# Altium PCB PCB1.PcbDoc (part 2 of 3)
Units mil, origin at the board's own origin, x right, y up, seen from the top; angles counter-clockwise.
Board outline 3937.01 x 2755.91 mil, 2 copper layers (Top Layer, Bottom Layer); 150 components, 153 nets, 622 pads, 617 vias.
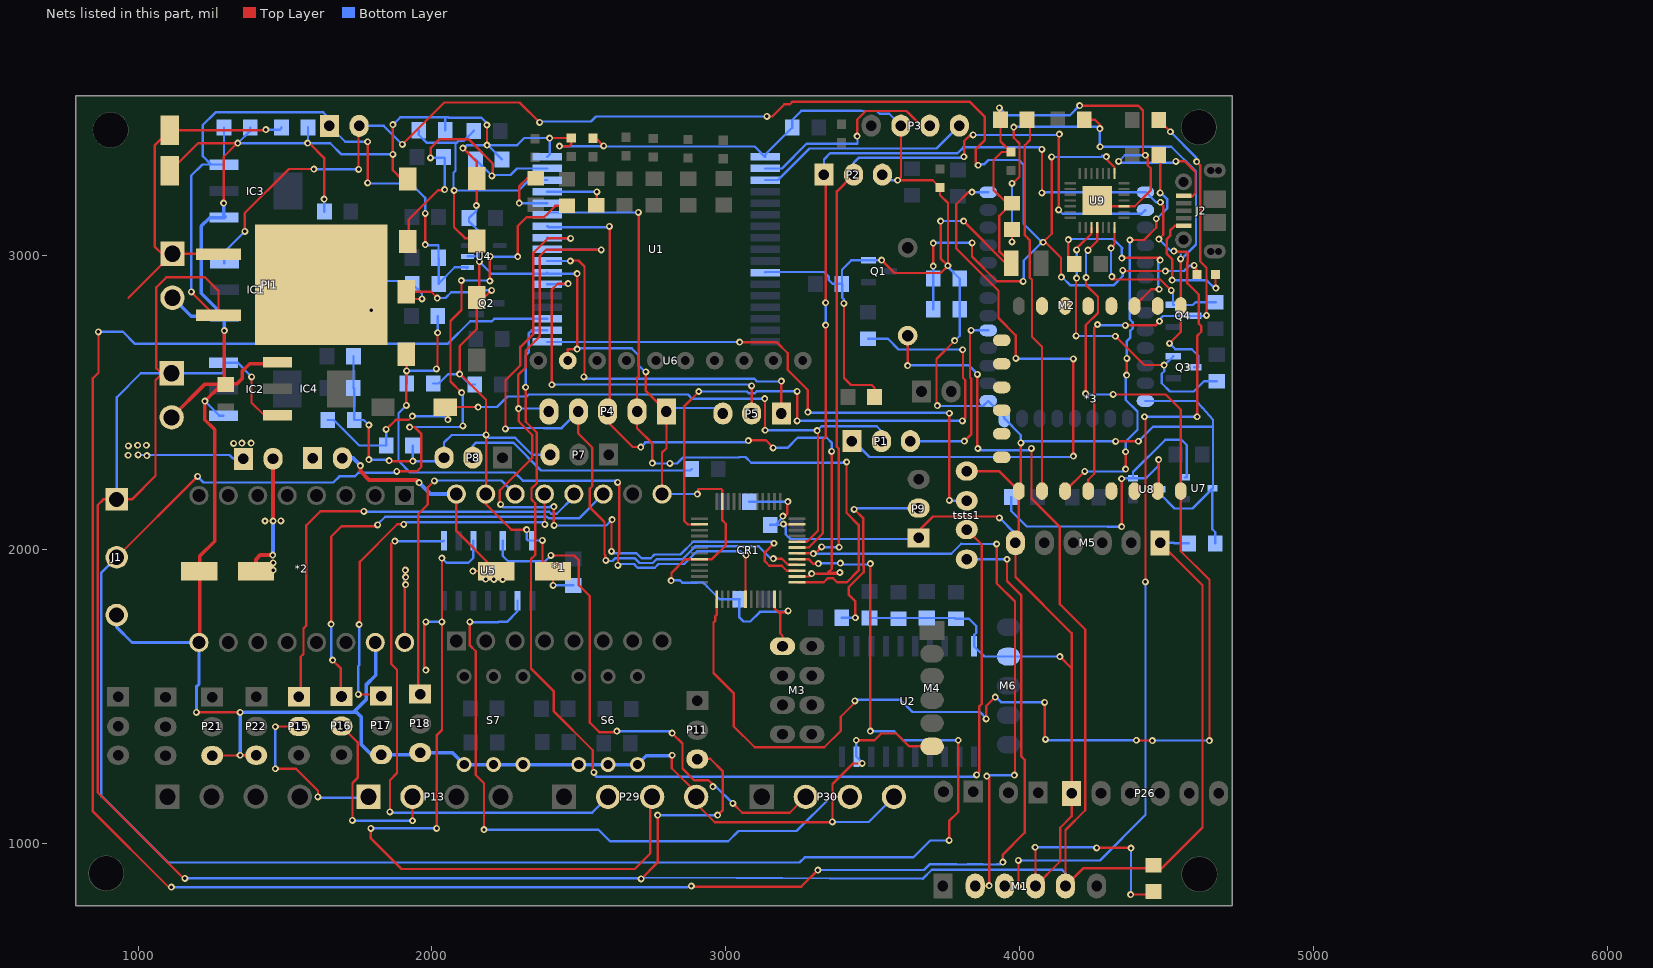
[diagram p2: the nets of this part, all layers, seen from the top]

## Via types
v1: diameter 23.62, hole 11.81, Top Layer to Bottom Layer, tented both sides, 615 vias
v2: diameter 23.62, hole 11.81, Top Layer to Bottom Layer, 2 vias

## Nets (pads, with @x,y where several pads share a name; then routed paths per layer and width w, separated by ;. In a path a pad name is that pad's centre, name@x,y a point inside that pad or via, vN(x,y) a via of type N, cw(c..) or ccw(c..) an arc to the next point about the centre after c; other vN are vias at no path point) (continued)
5V: B1.1 C1.2 C16.2 C22.2 C26.2 IC2.3 IC3.3 IC4.3 J1.1 M1.5 M5.1 P11.3 P23.1 P25.1 PI1.3 R23.2 U4.1 | length 13973.2
  Top Layer w8: P23.1@1114,2599 P23.1@1082.86,2599 ; v1(1159,880) 1155,880 862,1173 862,2150 881.7,2169.7 J1.1@927,2169.7 978.7,2169.7 1059,2250 1059,2575.14 P23.1@1082.86,2599 ; v1(1181,2876) 1260.94,2796.06 PI1.3@1273.5,2796.06 1273.5,2879.5 1227,2926 1096,2926 1062,2892 1062,2616 1079,2599 P23.1@1082.86,2599 ; v1(1386,2587) 1386,2499 1429.16,2455.84 IC4.3@1474,2455.84 ; v1(1781,3247) v1(1781,3387) ; v1(1977,3037) v1(1977,3143) ; v1(2712,878) 2768,934 v1(2768,1095) ; P11.3@2930,1286 P11.3@2903,1286 2904,1287 2947,1287 2990,1244 2990,1113 v1(2972,1095) ; v1@3619,2621 v1(3619,2625) B1.1@3619,2727 ; v1(3856,2595) 3856,2345 v1(3858,2343) ; v1(4040.3,2343.56) 4040.3,2172.7 4137,2076 4137,1813 4223,1727 4223,1112 4156,1045 M1.5@4156,854 4216,914 4455,914 4483,914 4622.5,1053.5 4622.5,1338.83 4622.19,1339.14 4622.19,1358.86 4622.5,1359.17 4622.5,1877.35 M5.1@4477.85,2022
  Bottom Layer w8: J1.1@927,2169.7 927,2517 1009,2599 P23.1@1114,2599 1284,2599 1290.5,2605.5 IC2.3@1290.5,2635.16 1337.84,2635.16 v1(1386,2587) ; v1(1159,880) 2710,880 v1(2712,878) 2717.2,883.2 3670.81,879.2 3701.12,909.5 3776.88,909.5 3777.38,909 3829.65,909 3830.15,909.5 3867.85,909.5 3868.35,909 3929.65,909 3930.15,909.5 3967.85,909.5 3968.35,909 4034.65,909 4035.15,909.5 4144.5,909.5 4156,898 M1.5@4156,854 ; v1(1181,2876) 1181,3272 1218.66,3309.66 IC3.3@1248.34,3309.66 ; C16.2@1292,3435 1292,3309.66 IC3.3@1248.34,3309.66 ; v1(1781,3247) 1783,3245 1928,3245 1977,3196 v1(1977,3143) ; v1(1781,3387) 1705,3387 P25.1@1651,3441 1651,3466 1630,3487 1263,3487 1220,3444 1220,3338 IC3.3@1248.34,3309.66 ; v1(1977,3037) 1979,3035 2022,3035 R23.2@2022,2992 2023,2991 C22.2@2023,2905 ; C22.2@2023,2903 C22.2@2023,2905 ; U4.1@2118.65,2957 U4.1@2121.25,2959.6 2077.6,2959.6 C22.2@2023,2905 ; v1(2768,1095) v1(2972,1095) ; v1@3621.81,2622.19 v1(3619,2625) 3620.81,2626.81 3826.19,2626.81 3850,2603 v1@3850,2594 ; v1@3865,2337.19 4031.93,2337.19 4032.93,2336.19 v1(4040.3,2343.56) ; M5.1@4477.85,2022 4525,2022 4527,2020 C26.2@4576,2020
5V_USB: D11.1 J2.1 | length 446.2
  Top Layer w8: v1@4515.51,2919.49 v1(4519,2916) 4519.81,2916.81 4519.81,2986.52 4501.19,3005.14 4501.19,3056.19 4512,3067 4512,3085 4527.58,3100.58 J2.1@4558,3100.58 ; D11.1@4666.5,2935 4666.5,2890.5 v1(4668,2889)
  Bottom Layer w8: v1(4519,2916) 4634.76,2916 4637.88,2912.88 4638.5,2913.5 4663,2889 v1(4668,2889)
5V_WIFI: C34.2 C35.2 D11.2 IC1.3 P25.2 U9.8 | length 5759.9
  Top Layer w8: v1(1363,3082) 1363,3144 1513,3294 v1(1598,3294) ; v1(1750,3293) 1750,3439 P25.2@1752,3441 ; v1(1899,3378) 2041.62,3520.62 2298.38,3520.62 v1(2366,3453) ; v1(3140,3473) 3158,3473 3199,3514 3217.37,3514 3226.87,3523.5 3829.83,3523.5 3881.81,3471.52 3881.81,3392.51 3850.19,3360.89 3850.19,3315.81 v1(3859,3307) v1@3861.06,3307 ; v1@3706,2960 v1(3706,2964) v1(3706,3042) ; v1(3838,3043) 3838,2996 3922,2912 v1(4012,2912) ; v1(4109,3335.13) 4109,3074 v1(4080,3045) 4087.88,3045 4141,2991.88 4141,2926 v1(4142,2926) ; v1(4295.06,3336.57) 4295.06,3328.27 4323.06,3300.27 U9.8@4323.06,3278.5 ; v1(4351,2949) 4353,2947 v1(4496,2947) ; v1(4594,2966) 4590,2966 4589,2965 4603.5,2950.5 D11.2@4603.5,2935
  Bottom Layer w8: IC1.3@1293.5,2973.16 1293.5,3012.5 v1(1363,3082) ; v1(1598,3294) 1599,3293 v1@1745,3293 ; P25.2@1752,3441 1835.91,3441 1898.91,3378 v1(1899,3378) ; v1@2370,3454 2371.81,3455.81 2540.81,3455.81 2558,3473 v1(3140,3473) ; C34.2@3706,2817 C35.2@3706,2921 v1@3706,2960 ; v1@3707,3043 v1(3838,3043) ; v1(3859,3307) 3862.81,3310.81 3880.48,3310.81 3894.48,3324.81 3997.35,3324.81 4013.81,3308.35 4013.81,3107.19 v1@4076,3045 ; v1(4012,2912) 4013.81,2913.81 4013.81,2982.81 v1@4076,3045 ; v1(4080,3045) v1@4076,3045 ; v1(4109,3335.13) 4277.63,3335.13 4282.49,3340 4290.49,3332 v1(4295.06,3336.57) ; v1(4142,2926) 4145.09,2926 4172.9,2898.19 4319.28,2898.19 4351,2929.91 v1(4351,2949) ; v1(4496,2947) 4559,2947 4578,2966 v1(4594,2966)
12V: C14.2 C15.2 P10.1 P12.1 P24.1 PI1.1 | length 1620.2
  Top Layer w8: 967,2856.14 P24.1@1116.86,3006 ; PI1.1@1273.5,3003.94 1271.44,3006 P24.1@1116.86,3006 ; v1(1435,3428) 1432.9,3425.9 C14.2@1107,3425.9 1057,3375.9 1057,3029 1080,3006 P24.1@1116.86,3006
  Bottom Layer w8: v1(1000,2321) 1311,2321 1323,2309 1324,2310 1327,2307 1343,2323 P12.1@1358,2308 ; v1(1435,3428) 1482,3428 1488,3434 C15.2@1488,3436
  other v1: 1030,2319 966,2320 967,2352 998,2354 1028,2354 1325.2,2360.67 1353.27,2361.61 1384.16,2361.62
12V_STEP: *1.9 *2.9 C12.1 C13.2 P10.2 P12.2 | length 1550
  Top Layer w8: P12.2@1459,2308 P12.2@1463.13,2312.14 ; *2.9@1907,1683 1907,1938.12 1909.38,1935.75 v1(1909.38,1928.99) ; *1.9@2083,2188 2083,2062 C12.1@2219,1926 v1(2139,1926)
  Top Layer w13.78: C13.2@1401,1926 1401,1965.5 1415.5,1980 v1(1458,1980) ; v1(1756,2285) 1756,2266 1786,2236 1947,2236 v1(1956,2227)
  Top Layer w14.96: v1(1459,2096.26) P12.2@1459,2308
  Bottom Layer w8: v1(1458,1980) v1@1459,1981
  Bottom Layer w13.78: v1@1459,1981 v1(1459,2096.26) ; P10.2@1695,2310 1731,2310 v1(1756,2285) ; v1(1956,2227) 1995,2188 *1.9@2083,2188
  other v1: 1910.03,1879.56 2240.14,1897.17 2182.26,1898.26 2210.66,1897.89 1910.44,1905.08 1459.7,1928.89 1459.46,1953.97 1431.73,2096.23 1485.98,2096.95
BLU_KEY_HC05: M2.34 P1.1 | length 2044.4
  Top Layer w8: v1(3837.83,3215.83) 3826.17,3215.83 3826,3216 3784,3174 3784,3024 3928,2880 3928,2787 3987,2728 v1(3987,2650) ; v1(4183,2317) v1(4183,2648)
  Bottom Layer w8: P1.1@3429,2368 3435,2368 3489,2314 4180,2314 v1(4183,2317) ; v1(3837.83,3215.83) 3837.95,3215.83 3838.89,3214.89 M2.34@3893,3214.89 ; v1(3987,2650) 3985,2648 v1(4183,2648)
BLU_KEY_HC06: M2.26 P1.3 | length 631.5
  Top Layer w8: v1(3812,2368) 3834.89,2390.89 3834.89,2581.02 3831.19,2584.72 3831.19,2741.19 v1(3834.89,2744.89)
  Bottom Layer w8: P1.3@3628,2368 v1(3812,2368) ; v1(3834.89,2744.89) M2.26@3893,2744.89
BLUE_KEY: C2.2 CR1.32 P1.2 R1.1 S1.2 | length 2664.4
  Top Layer w8: v1(1844,2408) 1876.47,2440.47 1877.45,2440.47 1877.79,2440.81 1920.81,2440.81 v1(1933,2453) ; v1(2054,2441) 2054,2472.68 2044.49,2482.19 S1.2@2045.3,2483 2046.3,2484 v1(2157,2484) ; v1(3132.5,2512.5) 3133.5,2511.5 3133.5,2405.5 v1(3134,2405) ; CR1.32@3243,2025.53 3276.53,2025.53 3313.81,2062.81 3313.81,2401.19 v1(3311,2404)
  Bottom Layer w8: R1.1@1645,2440 1665.93,2440 1698,2407.93 1698,2407.53 1752.53,2353 C2.2@1844,2353 v1(1844,2408) ; v1(1933,2453) 2042,2453 v1(2054,2441) ; v1(2157,2484) 2221,2484 2257,2520 2322.59,2520 2329.59,2527 2870.91,2527 2885.41,2512.5 v1(3132.5,2512.5) ; v1@3136,2403 v1(3134,2405) 3310,2405 v1(3311,2404) 3325.5,2418.5 3513.5,2418.5 3530,2402 P1.2@3530,2368
BLUE_RX: CR1.30 M1.2 M2.2 P2.2 | length 4798.4
  Top Layer w8: CR1.30@3243,1986.16 3304.16,1986.16 v1(3326,2008) ; v1(3385.81,2007) 3383.81,2009 3383.81,2342.86 3378,2348.67 3378,3218 P2.2@3435,3275 ; v1(3810.17,3335.83) 3811.81,3337.46 3811.81,3389.46 3834.35,3412 3836.35,3410 v1(3842,3410) ; v1(3888,1228) 3894,1228 3896,1226 v1(3896,855) ; v1(3922,2018) 3922,1884 3984,1822 3984,1233.5 v1(3982,1231.5) ; v1(4133,3154.89) 4133,3411 v1(4135,3413)
  Bottom Layer w8: v1(3298,1985) 3767,1985 3801,2019 3802,2018 v1(3922,2018) ; v1(3326,2008) 3327,2007 v1(3385.81,2007) ; P2.2@3435,3275 3435,3315 3452,3332 3807,3332 3810.17,3335.17 v1(3810.17,3335.83) ; v1(3842,3410) 4133,3410 v1@4135,3412 ; M1.2@3849,854 3893,854 v1(3896,855) ; v1(3888,1228) 3897,1228 3900.5,1231.5 v1(3982,1231.5) ; v1(4133,3154.89) 4145.89,3142 4415.11,3142 M2.2@4428,3154.89
BLUE_TX: CR1.31 M1.3 M2.1 P2.1 | length 5718.3
  Top Layer w8: CR1.31@3243,2005.84 3282.3,2005.84 3330,2053.54 3330,2372 3340,2382 v1(3340,2763) ; P2.1@3334,3275 3340,3269 v1(3340,2839) ; v1(3996,853) v1(3996,941) ; v1(4076.04,3213.04) v1(4076.04,3360.89) ; v1(4424.93,2451) 4428.18,2447.74 4428.18,1894.18 4430.36,1892 4428.19,1889.83 v1(4428.19,1889.19) ; v1(4473.93,3055.26) 4488.81,3070.14 4488.81,3168.57 4479,3178.38 v1(4479,3181) ; v1(4525,3015) 4527.93,3012.07 4568.93,3012.07 4571.81,3009.19 4571.81,2978.14 4570.19,2976.52 4570.19,2905.8 4610,2865.98 4610,2767.67 4617.81,2759.86 4617.81,2740.14 4603.89,2726.22 v1(4603.89,2451)
  Bottom Layer w8: P2.1@3334,3275 3334,3327 3355,3348 3788.67,3348 3808.48,3367.81 4069.12,3367.81 v1(4076.04,3360.89) ; v1(3340,2763) v1(3340,2839) ; M1.3@3949,854 3995,854 v1(3996,853) ; v1(3996,941) 4273,941 4428.19,1096.19 v1(4428.19,1889.19) ; v1(4076.04,3213.04) 4077.89,3214.89 M2.1@4428,3214.89 ; v1(4424.93,2451) v1(4603.89,2451) ; M2.1@4430.11,3214.89 4464,3181 v1(4479,3181) ; v1(4473.93,3055.26) 4514.19,3015 v1(4525,3015)
BOOT0: P8.2 R14.2 | length 830.8
  Bottom Layer w8: P8.2@2139,2312 2139,2352 2150,2363 2276.7,2363 2371.51,2268.19 2879.19,2268.19 R14.2@2884,2273
BOOT1: P9.2 R15.2 | length 679.6
  Top Layer w8: v1(3437,2136) 3468.19,2104.81 3468.19,1941.14 3469,1940.33 3469,1922 3418,1871 3418,1845.67 3441,1822.67 v1(3441,1767)
  Bottom Layer w8: R15.2@3395,1767 v1(3441,1767) ; v1(3437,2136) 3441,2140 P9.2@3656,2140
BTN: C7.2 CR1.18 R13.1 S5.1 | length 2410.4
  Top Layer w8: v1(1913,2490) 1913,2602 1911,2604 v1(1914,2607) 1914,2662.7 S5.1@1913,2663.7 ; v1(2015,2614) 2019,2618 v1(2019,2737) ; v1(2632,2228) 2636.81,2223.19 2636.81,1985.14 2633,1981.33 v1(2633,1945) v1@2633,1942 ; CR1.18@3067.16,1830 3067.16,1978.16 v1(3069,1980)
  Bottom Layer w8: v1(1913,2490) 1886,2463 1886,2301 1925.5,2261.5 2281.27,2261.5 2309.29,2233.48 2626.52,2233.48 v1(2632,2228) ; C7.2@1914,2564 v1(1914,2607) 2011,2607 2015,2611 v1(2015,2614) ; v1(2019,2737) 2020,2738 R13.1@2020,2794 ; v1(2633,1945) 2633,1942 2641,1950 2687.07,1950 2699.88,1937.19 2758.12,1937.19 2771.04,1950.11 2858.87,1950.11 2902.57,1993.81 3048.19,1993.81 3069,1973 v1(3069,1980)
BUZZER: CR1.2 R12.1 | length 2122.1
  Top Layer w8: v1@2908,2536 2858,2486 2858,2097 2870.42,2084.58 CR1.2@2911,2084.58 ; v1(3242.82,2437) v1(3242.82,2537.18) v1@3242.82,2537.82 ; v1(3805,2437) 3815,2447 3815,2575.46 3807,2583.46 3807,2679 v1(3806,2679)
  Bottom Layer w8: v1(2908,2537) 3071.91,2537 3077.72,2531.19 3098.28,2531.19 3104.4,2537.31 v1@3242.82,2537.31 ; v1(3242.82,2437) v1(3805,2437) v1@3813,2437 ; v1(3242.82,2537.18) v1@3243,2537 ; v1@3243,2537.31 v1@3248,2537.31 ; R12.1@3484,2717 3551,2717 3588,2680 3805,2680 v1(3806,2679)
CP2102_DTR: Q4.2 R33.1 U9.28 | length 601.9
  Top Layer w8: v1(4311,3025) 4323.06,3037.06 U9.28@4323.06,3095.5 ; v1(4314,2928) 4314,2918.31 4478.69,2918.31 v1(4516,2881)
  Bottom Layer w8: v1(4311,3025) 4311,2931 v1(4314,2928) ; v1(4516,2881) 4521.79,2875.21 Q4.2@4521.79,2831.5 4589,2831.5 4598.5,2841 R33.1@4667,2841
CP2102_RTS: Q3.2 R35.2 U9.24 | length 1053.8
  Top Layer w8: v1(4192,2726) 4192,2921 v1(4194,2923) ; v1(4194,3019) 4194,3023.49 4244.31,3073.8 U9.24@4244.31,3095.5 ; v1(4326,2725) 4424,2627 v1(4492,2627)
  Bottom Layer w8: v1(4192,2726) 4325,2726 v1(4326,2725) ; v1(4194,2923) v1(4194,3019) ; Q3.2@4522.79,2656.5 4493.29,2627 v1(4492,2627) 4492,2606.1 4483.79,2597.88 4483.79,2565.12 4511.9,2537 4592.74,2537 4627.74,2572 R35.2@4671,2572
DWM_BLE_WK: C5.2 R8.1 S3.1 U1.32 | length 956.8
  Top Layer w8: v1(2075,3221) 2075,3096 2112,3059 2152,3059 S3.1@2152,3048.7
  Bottom Layer w8: C5.2@1955,3426 1955,3411 1983,3383 2083,3383 ; R8.1@2142,3424 2108.81,3390.81 2090.81,3390.81 2083,3383 ; U1.32@2392,3256.7 2330.7,3256.7 2295,3221 v1(2075,3221) 2073.19,3222.81 2073.19,3281.19 2080.19,3288.19 2080.19,3380.19 2083,3383
DWM_nRST: C4.2 R7.1 S2.1 U1.33 | length 1006.6
  Top Layer w8: S2.1@1917,3047.7 1920.74,3051.44 1920.74,3122 2020.87,3222.13 2041.13,3222.13 v1(2043,3224) ; v1(1995,3332) 1996,3333 1996,3366 2026,3396 2124,3396 2207,3313 v1@2207,3271
  Bottom Layer w8: v1(1995,3332) 2042,3332 2043,3331 v1@2043,3225 ; C4.2@2148,3327 v1(2204,3271) 2206.81,3273.81 2266.81,3273.81 2289.07,3296.07 U1.33@2392,3296.07
DWM_READY: tsts1.2 U1.19 | length 3870.5
  Top Layer w8: v1(2319,2551.5) 2319,2434.33 2357,2396.33 2357,2224.9 2338.52,2206.42 2338.52,2169.58 2351.19,2156.91 2351.19,1981 2336.9,1966.72 2336.9,1594.5 2415,1516.4 2415,1448 2547,1316 2547,1245 v1(2551,1241) ; tsts1.2@3820,2067 3871,2016 3871,1473.63 3862.19,1464.82 3862.19,1241.19 v1(3853.5,1232.5)
  Bottom Layer w8: v1(2319,2551.5) 2319,2659.81 2329,2669.81 2329,2734 2339.89,2744.89 U1.19@2392,2744.89 ; v1(2551,1241) 2551,1234.5 2560,1225.5 3853.5,1225.5 v1(3853.5,1232.5)
DWM_RX: tsts1.3 U1.18 | length 1902.9
  Top Layer w8: v1(3047,2705) 3048,2704 3174,2704 3211,2667 3211,2610 3279,2542 v1(3279,2467) ; v1(3761,2166.5) v1(3761,2463)
  Bottom Layer w8: U1.18@2392,2705.52 v1@3047,2705.52 ; v1(3279,2467) 3280.81,2465.19 3759.19,2465.19 3761,2463.38 v1(3761,2463) ; v1(3761,2166.5) 3762.5,2165 tsts1.3@3820,2165
DWM_RX_LED: R10.2 U1.31 | length 216
  Top Layer w8: R10.2@2559,3171 2561,3173 v1(2561,3216)
  Bottom Layer w8: U1.31@2392,3217.33 2560.67,3217.33 2561,3217 v1(2561,3216)
DWM_SCL: P5.1 U1.25 | length 1303.8
  Top Layer w8: v1(2470.89,2981.11) 2472.59,2982.81 2498.19,2982.81 2519,2962 2519,2589 v1(2517,2587) ; P5.1@3189,2462 v1@3189,2571
  Bottom Layer w8: U1.25@2392,2981.11 v1(2470.89,2981.11) ; v1(2517,2587) 2517,2580.19 3097.48,2580.19 3106.67,2571 v1@3189,2571
  other v1: 3189,2572
DWM_SDA: P5.2 U1.23 | length 1237.5
  Top Layer w8: v1(2408,2560) 2408,2884 2428,2904 v1(2463,2904) ; P5.2@3088,2462 v1@3088,2545
  Bottom Layer w8: U1.23@2392,2902.37 2467.37,2902.37 2465.74,2904 v1(2463,2904) ; v1(2408,2560) 2408.81,2560.81 3077.19,2560.81 3086,2552 3088,2554 v1(3088,2556)
DWM_SPI_CLK: CR1.26 P4.3 U1.28 | length 2365.1
  Top Layer w8: v1(2604,3099) 2605,3098 2605,2476 P4.3@2598,2469 2598,2433 2683,2348 v1(2710.5,2348) ; v1@3076.79,2369.79 v1(3077,2370) 3078.02,2371.02 3136.49,2371.02 3161,2346.51 v1(3161,2345) ; CR1.26@3243,1907.42 3284.83,1907.42 3292,1914.59 v1(3292,1917) 3384,1917 v1(3388,1921) 3348,1921 3361,1934 3360,1935 v1(3360,2333)
  Bottom Layer w8: U1.28@2392,3099.22 2392.78,3100 2396.59,3096.19 2601.19,3096.19 v1(2604,3099) ; v1(2710.5,2348) 2726.31,2363.81 2851.73,2363.81 2851.92,2364 3071,2364 v1(3077,2370) ; v1(3161,2345) 3210,2345 3244.5,2379.5 3298.69,2379.5 3299,2379.19 3321.28,2379.19 3321.59,2379.5 3343.5,2379.5 3361,2362 3360,2361 v1(3360,2333)
DWM_SPI_CSn: CR1.25 P4.2 U1.29 | length 2494.5
  Top Layer w8: v1(2702.69,3146.31) 2704.19,3144.81 2704.19,2589.19 2698,2583 P4.2@2698,2469 2698,2412 2750,2360 v1(2750,2293) ; CR1.25@3243,1887.73 3333.06,1887.73 3346.14,1900.81 3365.86,1900.81 3378.94,1887.73 3412.1,1887.73 3452,1927.63 3452,2083 3411,2124 v1(3411,2297)
  Bottom Layer w8: U1.29@2392,3138.59 2399.72,3146.31 2598.02,3146.31 2598.14,3146.19 2702.57,3146.19 v1(2702.69,3146.31) ; v1(2750,2293) 2751,2292 v1(2810,2292) 2833.53,2292 2854.03,2312.5 3044.83,2312.5 3046.14,2313.81 3066.86,2313.81 3086.48,2294.19 3408.19,2294.19 v1(3411,2297)
DWM_SPI_MISO: CR1.27 P4.5 U1.26 | length 2828.7
  Top Layer w8: v1(2233.54,2152.54) 2231,2150 2231,2201 2341,2311 2341,2388.67 2295,2434.67 v1(2295,2479) 2293.19,2480.81 2293.19,2593.19 2319,2619 2319,2676 2367,2724 2367,2998 2388.11,3019.11 v1(2576,3019.11) ; P4.5@2398,2469 P4.5@2398,2492.09 ; v1@2415,2086 v1(2415,2145) ; v1@2610,1994 v1(2611,1993) 2611,2099.16 v1(2613,2101.16) ; v1(3164,2020.54) 3133,1989.54 3133,1959 3147.81,1944.19 3190.48,1944.19 3207.57,1927.1 CR1.27@3243,1927.1
  Bottom Layer w8: v1(2233.54,2152.54) 2242.57,2143.52 2401.42,2143.52 2403.9,2146 2404.9,2145 v1(2415,2145) ; v1(2295,2479) 2388,2479 P4.5@2398,2469 ; U1.26@2392,3020.48 2393.37,3019.11 v1(2576,3019.11) ; v1(2416,2081) 2592.84,2081 v1(2613,2101.16) ; v1(2611,1993) 2611,1991 2615,1987 2695.33,1987 2713.14,1969.19 2744.86,1969.19 2757.79,1982.11 2845.61,1982.11 2889.31,2025.81 3158.73,2025.81 v1(3164,2020.54)
DWM_SPI_MOSI: CR1.28 P4.4 U1.27 | length 2416
  Top Layer w8: v1(2250,2410) 2250,2575.46 2301,2626.46 2301,2688.77 2345,2732.77 2345,3009 2394,3058 v1(2472,3058) ; P4.4@2498,2469 2498,2394 2545.5,2346.5 2545.5,2214.82 2537.52,2206.84 2537.52,2142.52 2587,2093.04 2587,1983.33 2589.81,1980.52 2589.81,1955.81 2592.19,1958.19 v1(2592.19,1962) ; v1(3161.9,1968) 3191,1968 3212.21,1946.79 CR1.28@3243,1946.79
  Bottom Layer w8: v1(2250,2410) 2252.81,2412.81 2378.76,2412.81 2379.57,2412 2416.43,2412 2416.74,2412.31 2441.31,2412.31 P4.4@2498,2469 ; U1.27@2392,3059.85 2393.85,3058 v1(2472,3058) ; v1(2592.19,1962) 2594.19,1960 2614.33,1960 2623.33,1969 2690.7,1969 2706.51,1953.19 2751.49,1953.19 2764.41,1966.11 2852.24,1966.11 2895.94,2009.81 3112.19,2009.81 3154,1968 v1(3161.9,1968)
DWM_SWCLK: P3.2 U1.2 | length 711.1
  Top Layer w8: v1(3447,3406) 3447,3461.93 3476.57,3491.5 3614.43,3491.5 3663.93,3442 P3.2@3694,3442
  Bottom Layer w8: U1.2@3133.73,3296.07 3191.07,3296.07 3275,3380 3448,3380 3448,3405 v1(3447,3406)
DWM_SWDIO: P3.1 U1.3 | length 738
  Bottom Layer w8: U1.3@3133.73,3256.7 3177.16,3256.7 3284.46,3364 3717,3364 P3.1@3795,3442
DWM_TX: tsts1.1 U1.20 | length 7684.7
  Top Layer w8: v1(865,2740) 865,2601 846,2582 846,1108 1104,850 v1(1113,850) ; v1(2883,854) 2885,852 3257,852 v1(3313.26,908.28) ; v1(3943,935) 3943,961 4017,1035 4017,1284 4006,1295 4006,1843 3957,1892 v1(3957,1966)
  Bottom Layer w8: v1(865,2740) 948,2740 988.94,2699.06 2053.06,2699.06 2130,2776 2182.38,2776 2183.15,2776.76 2183.72,2776.19 2204.28,2776.19 2212.35,2784.26 U1.20@2392,2784.26 ; v1(1113,850) 2871,850 2875,854 v1(2883,854) ; v1(3313.26,908.28) 3674.44,908.28 3693.66,927.5 3784.34,927.5 3784.84,927 3822.2,927 3822.7,927.5 3875.3,927.5 3875.8,927 3922.2,927 3922.7,927.5 3935.5,927.5 v1(3943,935) ; tsts1.1@3820,1966 v1(3957,1966)
DWM_TX_LED: R9.2 U1.30 | length 220.2
  Top Layer w8: v1(2297,3177.96) 2297.5,3178.46 2297.5,3236.5 2324,3263 R9.2@2353,3263
  Bottom Layer w8: v1(2297,3177.96) U1.30@2392,3177.96
ENC_1A: P29.2 U5.1 | length 1874.9
  Top Layer w8: v1(1857,1106) 1857,1214 1881.19,1238.19 1881.19,1589.92 1861.52,1609.59 1861.52,2019.02 1870.1,2027.6 v1(1873.9,2027.6)
  Bottom Layer w8: v1@1861.86,1103.14 2544.86,1103.14 P29.2@2599.2,1157.48 ; v1(1873.9,2027.6) 2039.1,2027.6 U5.1@2041,2029.5
ENC_1B: P29.3 U5.3 | length 2796.4
  Top Layer w8: v1(1792,1050) 1792,1016 1896,912 2690,912 2743.19,965.19 2743.19,1151.46 P29.3@2749.2,1157.48 ; v1(1979,1589) 1974.19,1593.81 1974.19,1748.19 v1(1979,1753) ; v1(2016,1050) 2015.81,1050.19 2015.81,1366.53 2034,1384.72 v1(2034,1753) v1(2034,1970)
  Bottom Layer w8: v1(1792,1050) 1793,1051 1793.19,1050.81 2012.19,1050.81 v1@2013,1050 ; v1(1979,1753) v1(2034,1753) ; v1(2034,1970) 2049.81,1954.19 2124,1954.19 2141,1971.19 U5.3@2141,2029.5
ENC_2A: P30.2 U5.5 | length 1845.2
  Top Layer w8: v1(2405,1979) 2483.85,1979 2500,1962.85 2500,1877.72 2537.52,1840.2 2537.52,1409.48 2569.81,1377.19 2625.3,1377.19 v1(2629.12,1381) ; v1(2817,1374) 2852.5,1338.5 2852.5,1253.5 2892,1214 2941,1214 2956,1199 v1(2956,1192) ; v1(3024,1135) 3056,1103 3217.76,1103 P30.2@3272.24,1157.48
  Bottom Layer w8: U5.5@2241,2029.5 2241,1977 2259.05,1958.95 2384.95,1958.95 v1(2405,1979) ; v1(2629.12,1381) 2628.62,1380.5 2810.5,1380.5 v1(2817,1374) ; v1(2956,1192) 2967,1192 v1(3024,1135)
ENC_2B: P30.3 U5.9 | length 2265.3
  Top Layer w8: v1(2129,1753) 2129,1673 2149,1653 2149,1232 2177,1204 v1(2177,1046)
  Bottom Layer w8: v1(2129,1753) 2130.81,1751.19 2225.28,1751.19 2227.09,1753 2255,1753 2291,1789 U5.9@2291,1824.5 ; v1(2177,1046) 2177.43,1045.57 2566.43,1045.57 2606,1006 3008,1006 3043,1041 3241,1041 3357.48,1157.48 P30.3@3422.24,1157.48
ESP_ADC: *3.2
ESP_ENB: *3.3 R29.2 | length 680.9
  Top Layer w8: v1(4166,3054) 4166,2991 R29.2@4186,2971 ; v1(4348,2991) 4348,2998 4354,2992 4478,2992 v1(4478,2984) ; *3.3@4391,2828 4448,2885 v1(4475,2885)
  Bottom Layer w8: v1(4166,3054) 4168,3056 4318,3056 4349,3025 4348,3024 v1(4348,2991) ; v1(4475,2885) 4471.19,2888.81 4471.19,2977.19 v1(4478,2984)
ESP_GPIO0: *3.18 Q4.3 R25.2 | length 1702.3
  Top Layer w8: *3.18@4233.52,2198.08 4233.52,2236.52 4254,2257 4254,2754 v1(4265,2765) ; v1(4360,2762) 4462,2762 v1(4476,2776) ; R25.2@4473,3461 v1(4513,3421) ; v1(4602,3319) 4614.5,3306.5 4614.5,2979.5 4636,2958 v1(4636,2796)
  Bottom Layer w8: v1(4265,2765) 4268,2762 v1(4360,2762) ; v1(4476,2776) 4476,2782 4488,2794 Q4.3@4592.36,2794 4634,2794 v1(4636,2796) ; v1(4513,3421) 4602,3332 v1(4602,3319)
ESP_GPIO2: *3.17 R27.2 | length 1449.3
  Top Layer w8: *3.17@4154.78,2198.08 v1(4221.51,2264.81) ; v1(4361,2273) v1(4361,2332) ; v1(4364,2593) 4365,2594 v1(4365,2650) ; v1(4375.3,3052.54) 4423.54,3052.54 4465,3094 v1(4465,3125) ; R27.2@4473,3342 4478,3337 v1(4478,3213)
  Bottom Layer w8: v1(4221.51,2264.81) 4353,2264.81 4361,2272.81 v1(4361,2273) ; v1(4361,2332) 4361,2367 4401,2407 4401,2468.56 4361,2508.56 4361,2590 v1(4364,2593) ; v1(4365,2650) 4365,2709 4377,2721 4377,2743.91 4384.81,2751.72 4384.81,2772.28 4375.3,2781.79 v1(4375.3,3052.54) ; v1(4465,3125) 4466.8,3125 4502.81,3161.01 4502.81,3190.86 4480.67,3213 v1(4478,3213)
ESP_GPIO4: *3.19
ESP_GPIO5: *3.20
ESP_GPIO9: *3.11
ESP_GPIO10: *3.12
ESP_GPIO12: *3.6
ESP_GPIO13: *3.7
ESP_GPIO14: *3.5
ESP_GPIO15: *3.16 R31.2 | length 1299.4
  Top Layer w8: R31.2@4025,3462 4035.02,3451.98 4035.02,3392.47 4017.75,3375.2 4017.75,3068.8 4034,3052.54 4034,2925.13 4042,2917.13 4042,2723.62 4076.04,2689.58 *3.16@4076.04,2198.08
ESP_GPIO16: *3.4
ESP_nRST: *3.1 C31.2 Q3.3 R30.2 | length 2039.9
  Top Layer w8: v1(3974,3046) C31.2@3974,3088 ; v1(3974,3245) 3976.87,3245 3999.75,3267.88 3999.75,3380.75 3980,3400.5 v1(3980,3437) ; R30.2@4220,3462 4256,3462 4273,3445 v1(4273,3432) ; v1(4510,2701) 4548.48,2739.48 *3.1@4548.48,2828 4548,2828.48 v1(4548,2988)
  Bottom Layer w8: v1(3974,3046) v1(3974,3245) ; v1(3980,3437) 3980.81,3437.81 4267.19,3437.81 v1(4273,3432) 4273,3371 v1(4274,3370) 4515.67,3370 4600,3285.67 4600,3036.87 4551.13,2988 v1(4548,2988) ; v1(4510,2701) 4530,2681 4586,2681 4608,2659 4608,2619 Q3.3@4593.36,2619 ; 4547.96,3003 4548,3002.96
ESP_RX: *3.21 R28.2 U7.2 U8.2 | length 1257
  Top Layer w8: v1(4347,2077) v1(4347,2240) ; *3.21@4469.74,2198.08 4473,2201.34 v1(4473,2305)
  Bottom Layer w8: R28.2@3971,2178 3971,2131 4024.5,2077.5 4299.85,2077.5 4300.35,2077 v1(4347,2077) ; v1(4347,2240) 4348.5,2241.5 U8.2@4385,2241.5 ; v1(4473,2305) 4473,2284 4430.5,2241.5 U8.2@4385,2241.5 ; U7.2@4562,2244.5 4569,2244.5 4569,2354.47 4550.47,2373 4496,2373 4385.81,2262.81 4385.81,2242.31 U8.2@4385,2241.5
ESP_SPI_CLK: *3.14
ESP_SPI_INT: *3.13
ESP_SPI_MISO: *3.10
ESP_SPI_MOSI: *3.9
ESP_TX: *3.22 CR1.13 U9.25 | length 4570.2
  Top Layer w8: CR1.13@2968.73,1830 2968.73,1776.45 2963.81,1771.53 2963.81,1756.14 2958.09,1750.41 2958.09,1578.91 3026.5,1510.5 3026.5,1398 3098.5,1326 3335,1326 3391,1382 3391,1430 3439,1478 v1(3439,1484) ; v1(3886,1423) 3886,1466 v1(3917,1497) ; v1(4085,1479) 4085,1356 v1(4088,1353) ; v1(4224.63,2530) 4224.63,2762.44 4266.52,2804.33 4266.52,2859.39 4226,2899.91 v1(4226,2925) ; v1(4233,3018) 4264,3049 U9.25@4264,3095.5 ; v1(4318.37,2527) 4497,2527 4548.48,2475.52 *3.22@4548.48,2198.08 4548.48,1993.52 4646,1896 v1(4646,1349) ; v1(4397,1350) 4398,1349 v1(4452,1349)
  Bottom Layer w8: v1(3439,1484) 3439,1488 3593.67,1488 3635.67,1446 3865.05,1446 3886,1425.05 v1(3886,1423) ; v1(3917,1497) 3920,1497 3938,1479 v1(4085,1479) ; v1(4088,1353) 4088,1352 4090,1350 v1(4397,1350) ; v1(4224.63,2530) 4227.63,2527 v1(4318.37,2527) ; v1(4226,2925) 4232,2925 4226,2931 4226,3011 v1(4232,3017) v1(4233,3018) ; v1(4452,1349) v1(4646,1349)
GND: *1.10 *1.16 *2.10 *2.16 *3.15 C1.1 C2.1 C3.1 C4.1 C5.1 C6.1 C7.1 C8.1 C9.1 C10.1 C11.1 C12.2 C13.1 C14.1 C15.1 C16.1 C17.1 C18.1 C19.1 C20.1 C21.1 C22.1 C23.1 C24.1 C25.1 C26.1 C27.1 C28.1 C29.1 C30.1 C31.1 C32.1 C33.1 C34.1 C35.1 CR1.8 CR1.23 CR1.35 CR1.47 D1.2 D2.2 D7.2 D8.2 IC1.1 IC2.1 IC3.1 IC4.1 J1.3 J2.5 M1.4 M2.13 M2.21 M2.22 M3.1 M4.6 M5.6 M6.2 P2.3 P3.3 P4.1 P5.3 P7.3 P8.3 P9.1 P17.3 P18.3 P21.3 P22.3 P23.2 P24.2 P26.1 P29.4 P30.4 PI1.2 Q1.2 Q2.2 R1.2 R31.1 R34.1 S2.2 S3.2 S4.2 S5.2 S6.1 S6.2 S6.3 S7.1 S7.2 S7.3 tsts1.4 U1.1 U1.11 U1.24 U1.34 U2.10 U2.19 U4.2 U5.7 U6.2 U7.3 U8.3 U9.3 U9.29 | length 29919
  Top Layer w8: C14.1@1107,3288.1 1110.1,3288.1 1204,3382 v1@1336.91,3382 ; v1(1198,1445) v1(1347,1445) ; P21.3@1252,1298 1346,1298 v1(1347,1299) P22.3@1402,1299 ; v1(1291,3178) 1291,3336.09 v1@1336.91,3382 ; v1(1339,3382) v1@1336.91,3382 ; v1(1577,3382) 1583,3382 1633,3332 v1(1633,3192) ; PI1.2@1623,2949 PI1.2@1623,2900 PI1.2@1746,2900 ; v1(1785,2305) v1(1785,2423) ; v1(1854,2302) 1856,2300 v1(1935,2300) ; v1(1867,3445) v1(1867,3344) 1867,3290 1896.7,3260.3 S2.2@1917,3260.3 ; v1(1966,2852) 1937.3,2852 S5.2@1913,2876.3 1997.7,2876.3 2018,2856 v1(2018,2855) ; v1@2105.51,3366 2152,3319.51 S3.2@2152,3261.3 2152,3171 v1(2151,3170) ; v1(2161,2979) 2161,2865.3 S4.2@2152,2856.3 ; v1(2187,3444) 2187.25,3443.75 v1(2187.25,3375.5) ; v1(2203,2881) 2202,2881 2177.3,2856.3 S4.2@2152,2856.3 ; v1(2322,2067) 2270,2067 2183,2154 *1.10@2183,2188 2184.5,2189.5 2184.5,2388 2184,2388.5 v1(2184,2389) 2184,2509 2097,2596 v1(2094,2596) 2094,2691 2152,2749 S4.2@2152,2856.3 ; v1(2376,2030) 2376,1961.91 C12.2@2411.91,1926 2412,1925.91 v1(2412,1877) ; v1(2400.5,3399.5) D7.2@2474,3399.5 2474,3378 2468,3372 v1(2434,3372) ; U6.2@2462,2642 2462,2681 v1(2493.81,2681) v1(2493.81,2938.19) ; D8.2@2548,3398.76 2558.24,3398.76 v1(2584,3373) ; v1(2728,2604) 2728,2539 P4.1@2798,2469 2798,2344 2783,2329 *1.16@2783,2188 ; v1(2814,1893) 2815,1894 2815,1919.3 2862.17,1966.47 CR1.8@2911,1966.47 2953.15,1966.47 3000,2013.33 3000,2086.67 2988.42,2098.26 CR1.47@2988.42,2162 2988.42,2201.16 2984.57,2205 2906,2205 2906,2191 v1(2903,2188) ; v1(2817,1299) 2816,1298 2816,1255 2899.2,1171.8 P29.4@2899.2,1157.48 2889,1147.28 2889,1144.33 2962.14,1071.19 v1@3363,1071.19 ; CR1.23@3165.58,1830 3165.58,1799.22 3178.8,1786 ; M3.1@3193,1670 3193,1706 3185.27,1713.73 3185.27,1779.53 3178.8,1786 ; v1(3194,2113) 3201.26,2113 3209.03,2120.77 3209.03,2160.03 v1(3211,2162) ; v1(3196,2086) 3197.42,2084.58 CR1.35@3243,2084.58 ; v1(3212,1790) 3208,1786 3178.8,1786 ; v1(3363,1072) 3363,1201 3433,1271 v1(3464,1271) ; v1(3402,2837) 3402,2583 3426,2559 3497,2559 3506,2550 C29.1@3506,2518 ; v1(3444,1350) 3506,1350 3528.81,1372.81 3580.19,1372.81 3623.48,1329.52 M4.6@3702,1329.52 ; v1(3530.19,2984) 3574,2940.19 3731.19,2940.19 v1(3756,2965) ; P3.3@3596,3442 3596,3267 v1(3585,3256) 3704.5,3256 D2.2@3729,3231.5 3729,3205 3756,3178 v1(3756,2965) ; P9.1@3656,2039 3656,2062 3705.5,2111.5 3926.5,2111.5 v1(3931,2107) ; v1(3720,2489) 3717,2492 3717,2648 v1(3779,2710) ; v1(3731,3117) 3731,2990 v1(3756,2965) ; v1(3809,3117) 3953,2973 C30.1@3970.99,2973 3931,3012.99 3931,3135 C31.1@3974,3178 3956,3178 3911,3223 3911,3324 3939,3352 D1.2@3971,3352 3935,3388 R31.1@3935,3462 3931,3466 v1(3931,3502) ; tsts1.4@3820,2266 3929.38,2266 *3.15@3997.3,2198.08 ; v1(4004,2362) 4004,2208.78 4000,2204.78 4002,2202.78 *3.15@3997.3,2198.08 ; v1(4053,986) 4054,985 M1.4@4054,854 4138,938 4138,1052.46 4177,1091.46 P26.1@4177,1169 4177,1595 ; v1(4137,1635) 4177,1595 ; v1(4204,3510) 4403.47,3510 4420,3493.47 4420,3349 v1(4428,3341) 4428,3339 4436,3331 4436,3306.67 4446.81,3295.86 4446.81,3222.56 4391.57,3167.31 U9.3@4355.5,3167.31 4283.69,3167.31 U9.29@4264,3187 ; v1(4262,984) 4378,984 v1(4379,983) ; v1(4326.96,2367.37) 4404.37,2367.37 v1(4404.37,2367.63) ; v1(4378,825) 4454,825 C1.1@4455,824 ; v1(4532,3320) 4563,3320 4598.5,3284.5 4598.5,3211.5 4588.51,3201.51 4558.67,3201.51 J2.5@4558,3202.18 ; *3.15@3997.3,2198.08 3997.3,2033.58 M5.6@3985.72,2022 3985.72,1905.28 4177,1714 4177,1595
  Top Layer w12: P23.2@1114,2449 1226,2561 C21.1@1284,2561 ; *2.16@1207,1683 1209,1685 C13.1@1209,1926.91 ; C13.1@1208.09,1926 C13.1@1209,1926.91 ; C21.1@1293.5,2565.5 v1(1293.5,2744.24) ; IC4.1@1474,2636.16 1469.84,2632 1379.61,2632 1354.98,2607.37 1354.98,2581.98 1336.58,2563.57 1300.58,2563.57 C21.1@1298,2561 C21.1@1284,2561 ; C13.1@1209,1926.91 1209,1976 1260.52,2027.52 1260.52,2407.48 1227,2441 v1(1227,2504) C21.1@1284,2561
  Bottom Layer w8: v1(1227,2504) 1276.16,2454.84 IC2.1@1290.5,2454.84 ; P21.3@1252,1298 P21.3@1252,1316 ; C16.1@1382,3435 1382,3425 v1(1339,3382) v1(1577,3382) v1@1578,3382 ; P22.3@1396,1298 P22.3@1402,1304 ; C15.1@1578,3436 v1@1578,3382 ; v1(1633,3192) 1633,3150 C19.1@1634,3149 ; C18.1@1733,2657 1733,2550 C20.1@1732,2549 1735,2546 R1.2@1735,2440 1768,2440 v1(1785,2423) ; C33.1@1739,3023 1739,2914 C32.1@1738,2913 ; v1(1785,2305) 1851,2305 v1(1854,2302) ; v1(1793,2814) C17.1@1737,2814 1737,2912 C32.1@1738,2913 ; v1(1867,3344) 1692,3344 1654,3382 v1@1578,3382 ; v1(1867,3445) 1892,3470 2056,3470 2057,3469 2168,3469 2187,3450 v1(2187,3444) ; C2.1@1934,2353 1935,2352 v1(1935,2300) 2029,2300 P8.3@2041,2312 2041,2363 2067,2389 v1(2184,2389) 2194,2379 2283.33,2379 2340.33,2322 P7.3@2402,2322 ; v1(1966,2852) 1966,2870 C22.1@1933,2903 1923,2913 C32.1@1738,2913 ; C7.1@2004,2564 2023,2564 2055,2596 v1(2094,2596) 2129,2561 C23.1@2146,2561 ; v1(2018,2855) 2045.88,2855 2065.88,2875 Q2.2@2151,2875 2157,2881 v1(2203,2881) ; C5.1@2045,3426 2045,3468 ; v1(2105,3365) 2108.46,3365 2118.96,3375.5 v1(2187.25,3375.5) v1@2189.5,3375.5 ; U4.2@2121.25,2997 2158,2997 ; v1(2151,3170) 2151,3152 C6.1@2126,3127 2126,3116 2158,3084 2158,2997 ; C4.1@2238,3327 v1@2189.5,3375.5 ; v1(2322,2067) 2322,2034.81 2326.81,2030 v1(2376,2030) ; U1.34@2392,3335.44 2400.5,3343.94 v1(2400.5,3399.5) 2314,3399.5 2290,3375.5 v1@2189.5,3375.5 ; v1(2412,1877) C28.1@2481,1877 ; v1(2434,3372) 2583,3372 v1(2584,3373) 2586,3371 3098.17,3371 U1.1@3133.73,3335.44 3133.73,3342.73 R34.1@3226,3435 3226,3461 3257,3492 3461.63,3492 3462.13,3491.5 3513.43,3491.5 3522.93,3482 3556,3482 P3.3@3596,3442 ; v1(2493.81,2681) 2493.81,2681.19 2491,2684 2679.4,2684 2704,2659.4 2704,2625 2725,2604 v1(2728,2604) ; v1(2493.81,2938.19) 2395.55,2938.19 U1.24@2392,2941.74 2388.36,2938.1 2201.9,2938.1 v1(2161,2979) 2159,2979 2158,2978 2158,2997 ; *1.16@2783,2188 v1(2903,2188) ; P4.1@2798,2469 2798,2481 2990,2481 P5.3@2990,2462 ; v1(2814,1893) 2815,1894 2844.33,1894 2852.14,1886.19 2902.52,1886.19 2903.14,1886.81 2922.86,1886.81 2936.81,1872.86 2936.81,1872.69 2979.5,1830 C8.1@3047,1830 3046.19,1829.19 3046.19,1768.14 3060.14,1754.19 3083.19,1754.19 3116,1787 3209,1787 v1(3212,1790) ; C10.1@3080,2162 v1(3211,2162) ; U1.11@3133.73,2941.74 3133.73,2943.5 3334.5,2943.5 3350,2928 3350,2917 3363,2904 3394,2904 C3.1@3395,2903 ; C9.1@3152,2082 C9.1@3151,2083 C9.1@3168.53,2083 ; v1(3194,2113) v1@3198.53,2113 ; v1@3200.53,2115 v1@3198.53,2113 ; v1(3363,1072) 3486.76,1072 P30.4@3572.24,1157.48 ; v1(3402,2837) 3402,2850.12 3396,2856.12 3396,2902 C3.1@3395,2903 ; v1(3444,1350) 3444,1295 U2.19@3445,1294 3466,1273 v1(3464,1271) ; C11.1@3489,1766 C25.1@3684,1766 3781,1766 C24.1@3783,1764 3827,1764 3852.81,1738.19 3852.81,1715.72 3845,1707.91 U2.10@3845,1670 3880,1635 M6.2@3962,1635 v1(4137,1635) ; v1(3530.19,2984) 3529.69,2983.5 Q1.2@3485.79,2983.5 3427.5,2983.5 3395.5,2951.5 3395.5,2903.5 C3.1@3395,2903 ; P2.3@3533,3275 3552,3256 v1(3585,3256) ; P9.1@3656,2039 3651.81,2034.81 3219.72,2034.81 3204,2050.53 3204,2078 v1(3196,2086) 3193,2083 C9.1@3168.53,2083 ; v1(3720,2489) 3721.5,2487.5 3875.61,2487.5 M2.22@3893,2504.89 3948,2449.89 M2.21@3948,2444.89 4004,2388.89 v1(4004,2362) 4009.37,2367.37 v1(4326.96,2367.37) ; v1(3731,3117) v1(3809,3117) ; v1(3756,2965) 3756,2961 C35.1@3796,2921 C34.1@3796,2817 3796,2727 v1(3779,2710) ; v1(3931,2107) 3985.72,2052.28 M5.6@3985.72,2022 ; v1(3931,3502) 3956,3477 4171,3477 v1(4204,3510) ; v1(4053,986) 4260,986 v1(4262,984) ; v1(4378,825) 4379,826 v1(4379,983) ; v1(4404.37,2367.63) 4453.74,2417 4652,2417 ; M2.13@4428,2504.89 4601,2504.89 4621.7,2481.73 4658,2441.12 4658,2207 U7.3@4656,2207 ; v1(4428,3341) 4358,3341 v1(4337,3320) 4341,3316 4528,3316 v1(4532,3320) ; U8.3@4479,2204 4479,2187 4527,2139 4588,2139 U7.3@4656,2207 ; C26.1@4666,2020 4666,2058 4656,2068 U7.3@4656,2207 ; C9.1@3168.53,2083 v1@3198.53,2113
  Bottom Layer w10: J1.3@927,1776 927,1735 979,1683 *2.16@1207,1683 1207,1540.38 1201.5,1534.88 ; v1(1198,1445) 1198,1534.24
  Bottom Layer w12: P24.2@1116.86,2856 1116.86,2857.14 1181,2793 IC1.1@1293.34,2793 ; v1(1291,3178) 1291,3137.34 1296,3132.34 IC3.1@1292.5,3128.84 1243.84,3128.84 1215,3100 1215,2871.34 IC1.1@1293.34,2793 ; v1(1293.5,2744.24) IC1.1@1293.5,2792.84 IC1.1@1293.34,2793 ; v1(1347,1299) v1(1347,1445) 1733,1445 ; *2.10@1807,1683 1809,1681 1809,1571.8 1775.5,1538.3 1775.5,1487.5 1733,1445 ; v1(2817,1299) 2815,1297 2729.14,1297 S6.3@2699.46,1267.32 S6.2@2599.46,1267.32 S6.1@2499.46,1267.32 S7.3@2309.51,1267.32 S7.2@2209.51,1267.32 S7.1@2109.51,1267.32 2069.83,1307 1961,1307 P18.3@1960,1308 1953,1301 P17.3@1827,1301 1794,1301 1760,1335 1760,1428 1743,1445 1733,1445
LED: CR1.29 J1.2 R16.1 | length 7978.8
  Top Layer w8: J1.2@927,1972.85 v1(1202.15,2248) ; v1(1880,2265) 1948,2265 1964,2281 1964,2392 1940,2416 v1(1924,2416) ; v1(2100.25,2914.75) 2100.25,2814.25 2063,2777 2063,2571 v1(2101,2533) ; v1(2197,2913) v1@2197,2996 ; v1(2292,2996) 2292,3100 2322,3130 2380.88,3130 2419.88,3169 R16.1@2460,3169 ; CR1.29@3243,1966.47 3281.44,1966.47 3296.91,1951 v1(3315,1951) ; v1(3492,1381) v1(3492,1951) ; v1(3760,1009) 3760,1075.24 3791,1106.24 v1(3791,1350)
  Bottom Layer w8: 875,1160 875,1161 ; J1.2@927,1972.85 875,1920.85 875,1161 ; v1(1202.15,2248) 1222.67,2227.48 1664.25,2227.48 1684.96,2248.19 1737.33,2248.19 1749.64,2260.5 1875.5,2260.5 v1(1880,2265) ; v1@1927,2419 v1(1924,2416) 1926,2414 1928.19,2416.19 2101.19,2416.19 v1(2105,2420) 2105,2527.42 2101,2531.42 v1@2102.58,2533 ; v1(2100.25,2914.75) 2193.75,2914.75 2195,2916 2197,2914 v1(2197,2913) ; v1(2198,2997) 2199,2996 v1(2292,2996) ; v1(3315,1951) 3316,1950 3319,1953 v1(3390,1953) 3390,1950 3392,1948 3489,1948 v1(3492,1951) ; v1(3492,1381) 3573,1381 3604,1350 v1(3791,1350) ; v1(3760,1009) 3696,1009 3639,952 3269,952 3251,934 1102,934 875,1161
MTR1_A1: *1.13 P15.1 | length 1552.2
  Top Layer w8: P15.1@1547,1506 1553.19,1512.19 1553.19,1634.14 1562.52,1643.47 1562.52,1730.47 1572.19,1740.14 1572.19,2081.19 1620,2129 v1(1768,2129)
  Bottom Layer w8: v1(1768,2129) 1769.48,2127.52 2398.81,2127.52 2405.14,2121.19 2424.86,2121.19 2483,2179.33 *1.13@2483,2188
MTR1_A2: *1.14 P16.1 | length 1538.7
  Top Layer w8: v1(1657,1745) 1657,2043 1692.19,2078.19 1810.19,2078.19 v1(1815,2083) ; v1(1661.52,1622.48) 1690,1594 P16.1@1690,1510
  Bottom Layer w8: v1(1657,1745) 1657,1627 v1(1661.52,1622.48) ; v1(1815,2083) 1815,2085 1841,2111 2391.67,2111 2397.48,2105.19 2500.19,2105.19 *1.14@2583,2188
MTR1_B1: *1.12 P17.1 | length 1326.5
  Top Layer w8: v1(1749.69,1506) 1821,1506 P17.1@1827,1500 ; v1(1752,1744) 1754.07,1746.07 1754.07,1957.07 1882,2085 v1(1904,2085) ; *1.12@2383,2188 v1(2384,2085) v1@2384,2082
  Bottom Layer w8: v1(1749.69,1506) 1749.69,1513.69 1750,1514 1749,1515 1749,1602 1753,1606 v1@1753,1742 ; v1(1904,2085) 1910.81,2091.81 2377.19,2091.81 v1(2384,2085)
MTR1_B2: *1.11 P18.1 | length 1049.1
  Top Layer w8: P18.1@1960,1507 1953,1514 1953,2120.2 1986,2153.2 1986,2211 v1(2008,2233) ; *1.11@2280,2188 *1.11@2283,2188
  Bottom Layer w8: v1(2008,2233) 2009,2234 2237,2234 *1.11@2283,2188
MTR1_C1: P13.1 P15.2 | length 599.3
  Top Layer w8: v1(1467,1253) 1537,1253 1612,1178 v1(1612,1157) ; v1(1467,1396) 1468,1397 P15.2@1547,1397 ; P13.1@1780.37,1154.19 P13.1@1783.66,1157.48
  Bottom Layer w8: v1(1467,1253) v1(1467,1396) ; v1(1612,1157) 1614.81,1154.19 1780.37,1154.19 P13.1@1783.66,1157.48
MTR1_C2: P13.2 P16.2 | length 632.9
  Top Layer w8: P16.2@1692,1398 1747,1343 1747,1221.89 1729.32,1204.2 ; v1(1729.32,1077.68) 1729.32,1200.2 ; v1(1933.66,1076) P13.2@1933.66,1157.48
  Bottom Layer w8: v1(1729.32,1077.68) 1731,1076 v1(1933.66,1076)